# KiCad board SenseBarnacle.kicad_pcb (continued)
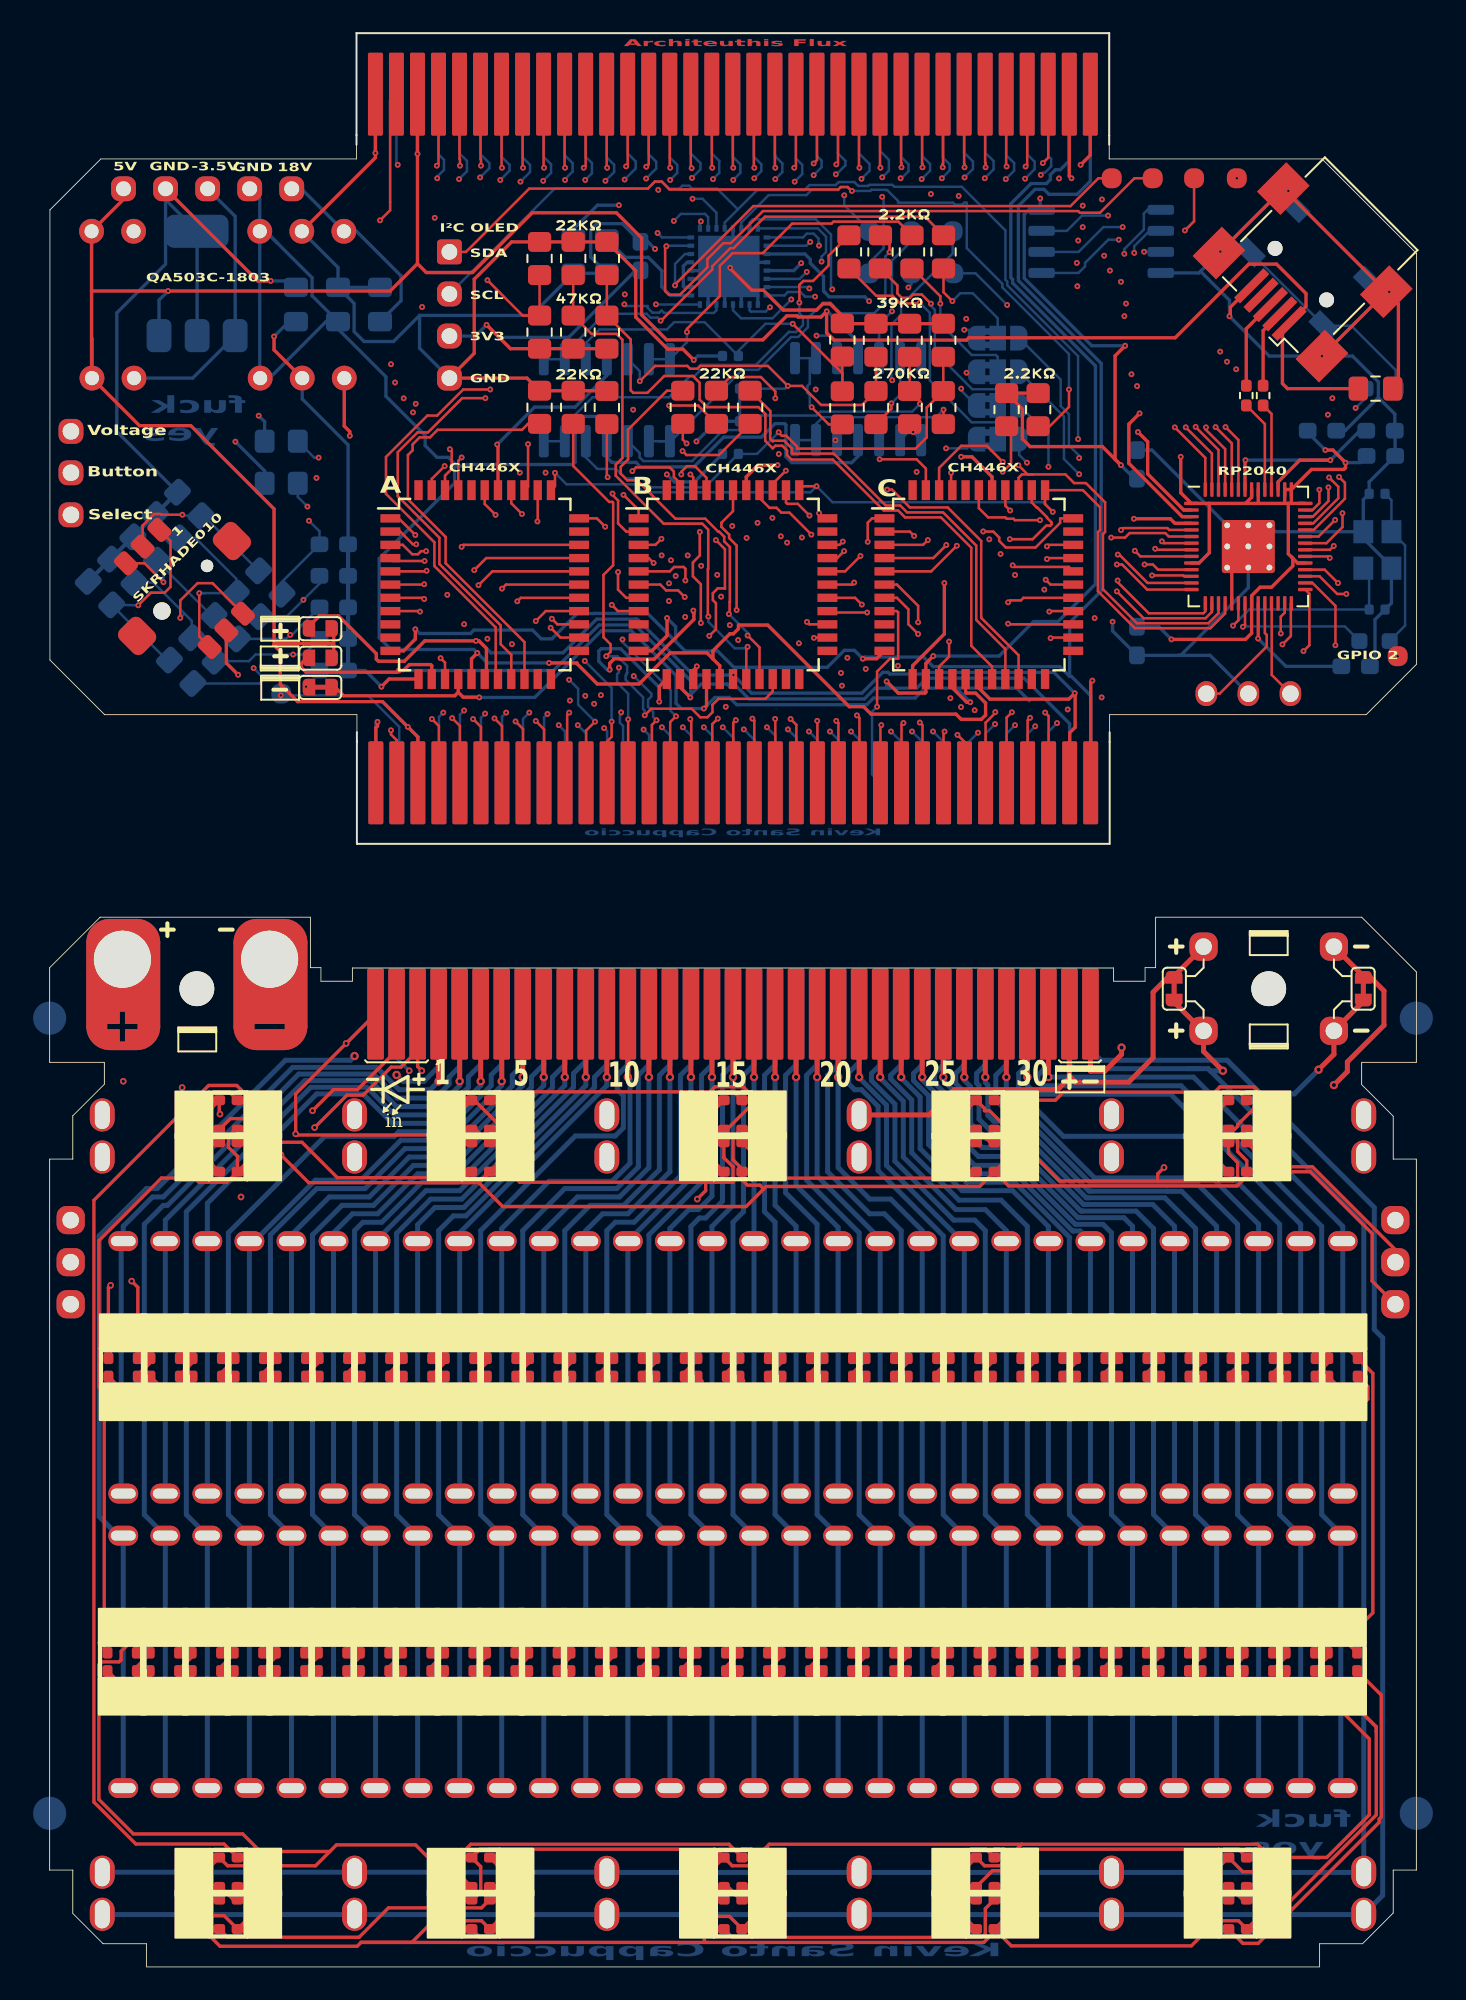
[diagram p0: board, top side]
## Routing (per net, layer and track width the routed paths; a pad name or vN(x,y) marks a point on that pad's centre or on a via; arc(x,y) is an arc through that point) (continued)
RESET: length 65.4
  Top w0.15: U9.36 77.12,85.95 78.09,86.93 v3(78.09,87.76) ; U14.41 39.68,89.9 38.98,90.6 38.49,90.6 38.15,90.26 v3(38.15,90.1) ; U13.41 24.68,90.92 v3(24.88,91.13) ; v3(54.45,90.2) 54.45,89.23 U15.41
  In1.Cu w0.15: v3(38.15,90.1) 38.09,90.1 37.99,90.2 ; 37.99,90.2 36.86,91.33 25.09,91.33 v3(24.88,91.13) ; 37.99,90.2 38.64,89.55 42.44,89.55 42.69,89.3 45.07,89.3 45.63,89.85 52.01,89.85 52.16,89.7 53.95,89.7 v3(54.45,90.2) 55.18,89.47 59.42,89.47 60.02,88.87 64.24,88.87 64.42,88.68 64.72,88.68 64.83,88.58 66.01,88.58 66.12,88.68 77.17,88.68 v3(78.09,87.76)
SDIN1: length 46
  Top w0.15: U9.13 66.32,83.55 64.61,85.26 v3(64.52,85.26)
  In1.Cu w0.15: v3(62.13,104.23) 46.77,104.23 v3(46.47,103.92)
  In2.Cu w0.15: v3(64.52,85.26) 64.02,85.26 63.34,85.94 63.34,86.65 63.41,86.71 63.41,87.48 63.98,88.05 63.98,89.13 64.04,89.19 64.04,90.22 63.83,90.42 63.83,91.11 64.34,91.61 64.34,91.8 64.01,92.13 64.01,101.42 63.24,102.18 63.24,102.32 62.13,103.44 v3(62.13,104.23)
  Bottom w0.15: U6.1 45.5,104.41 45.73,104.64 46.15,104.64 46.44,104.35 46.44,104.1 46.47,104.07 v3(46.47,103.92)
SDIN2: length 48
  Top w0.15: v3(64.46,84.67) 64.78,84.67 66.29,83.15 U9.14
  In1.Cu w0.15: v3(45.94,104.14) 46.99,105.19 62.24,105.19 v3(62.4,105.03)
  In2.Cu w0.15: v3(64.46,84.67) 64.52,84.67 64.94,85.09 64.94,85.71 63.99,85.71 63.64,86.06 63.64,86.52 63.71,86.59 63.71,87.36 64.28,87.93 64.28,89 64.34,89.06 64.34,90.34 64.13,90.55 64.13,90.98 64.64,91.49 64.64,91.93 64.31,92.26 64.31,101.54 63.54,102.31 63.54,102.5 62.63,103.42 62.63,104.8 v3(62.4,105.03)
  Bottom w0.15: U6.2 45.71,103.91 v3(45.94,104.14)
SDOUT1: length 51.7
  Top w0.15: U9.16 70.2,81.81 69.81,81.42 66.08,81.42 v3(64.46,83.04)
  In1.Cu w0.15: v3(47.27,101.28) 47.73,101.73 51.5,101.73 51.66,101.89 52.08,101.89 52.37,101.6 52.37,101.47 v3(62.08,101.47)
  In2.Cu w0.15: v3(64.46,83.04) 62.74,84.76 62.74,87.66 63.24,88.16 63.24,89.24 63.39,89.39 63.39,90.02 63.23,90.17 63.23,91.35 63.44,91.56 63.44,91.86 63.24,92.06 63.24,93.93 63.41,94.1 63.41,100.14 v3(62.08,101.47)
  Bottom w0.15: U6.31 42.27,105.31 42.47,105.51 46.28,105.51 47.19,104.59 47.19,101.36 v3(47.27,101.28)
SDOUT2: length 49.4
  Top w0.15: v3(64.51,83.7) 64.51,83.6 66.39,81.72 69.69,81.72 69.8,81.83 U9.15
  In1.Cu w0.15: v3(62.04,102.88) 51.37,102.88 51.22,102.72 46.86,102.72 v3(46.62,102.96)
  In2.Cu w0.15: v3(64.51,83.7) 63.54,84.67 63.54,85.32 63.04,85.82 63.04,86.77 63.11,86.84 63.11,87.61 63.54,88.04 63.54,89.11 63.74,89.31 63.74,90.09 63.53,90.3 63.53,91.23 64.01,91.71 63.71,92.01 63.71,101.21 v3(62.04,102.88)
  Bottom w0.15: U6.32 46.4,104.96 46.89,104.46 46.89,103.53 46.62,103.26 v3(46.62,102.96)
Select_Probe: length 16.1
  In1.Cu w0.15: v3(15.57,88.16) 2.53,88.16 2.04,87.66 TP6.1
  Bottom w0.15: v3(15.57,88.16) 14.99,88.75 R27.2
SW_A: length 89.4
  Top w0.15: v3(64.71,86.75) 64.82,86.86 67.51,86.86 67.62,86.75 U9.5
  In1.Cu w0.15: v3(21.95,93.85) 21.98,93.88 24.65,93.88 26.94,96.17 42.77,96.17 42.99,95.95 50.41,95.95 51.17,96.71 55.18,96.71 55.23,96.76 55.59,96.76 56.15,96.19 62.07,96.19 62.83,95.44 v3(65.68,95.44)
  In2.Cu w0.15: v3(12.32,78.41) 14.49,78.41 19.71,83.62 19.71,91.12 21.95,93.37 v3(21.95,93.85) ; v3(64.71,86.75) 64.88,86.92 64.88,88.75 65.6,89.48 65.64,89.48 65.95,89.78 65.95,90.22 65.69,90.48 65.69,91.16 65.24,91.6 65.24,95 v3(65.68,95.44)
  Bottom w0.15: R6.1 12.67,77.48 13.15,77.96 ; C18.1 15.99,77.96 13.15,77.96 ; 13.15,77.96 12.77,77.96 v3(12.32,78.41)
SW_B: length 85.9
  Top w0.15: U9.6 67.6,86.35 67.39,86.56 65.23,86.56 64.96,86.29 v3(64.12,86.29)
  In1.Cu w0.15: v3(22.11,94.37) 24.54,94.37 26.64,96.47 42.89,96.47 42.97,96.4 43.51,96.4 43.66,96.25 50.29,96.25 51.04,97.01 55.06,97.01 55.11,97.06 55.72,97.06 56.28,96.49 65,96.49 v3(65.34,96.15)
  In2.Cu w0.15: v3(64.12,86.29) 64.12,87.35 64.58,87.8 64.58,88.88 65.34,89.64 65.34,90.94 64.94,91.34 64.94,95.75 v3(65.34,96.15) ; v3(22.11,94.37) 21.76,94.37 21.45,94.06 21.45,93.29 16.97,88.81 16.97,81.5 v3(14.71,79.23)
  Bottom w0.15: R34.1 12.03,78.83 12.43,79.23 15.36,79.23 C23.1
SW_C: length 92
  Top w0.15: U9.34 77.23,85.15 v3(77.32,85.06)
  In1.Cu w0.15: v3(71.11,96.91) 70.93,97.09 56.59,97.09 56.03,97.66 54.86,97.66 54.81,97.61 53.53,97.61 53.38,97.76 50.59,97.76 49.83,97 46,97 45.85,96.85 43.91,96.85 43.76,97 43.22,97 42.86,97.35 39.73,97.35 39.32,97.76 35.49,97.76 34.8,97.07 22.28,97.07 v3(20.86,95.65)
  In2.Cu w0.15: v3(20.86,95.65) 19.41,94.2 19.41,92.1 16.37,89.06 16.37,86.47 14.53,84.63 v3(14.53,80.42) ; v3(77.32,85.06) 75.89,86.49 75.89,89.51 76.09,89.71 76.09,91.33 71.11,96.3 v3(71.11,96.91)
  Bottom w0.15: R32.1 14.28,80.18 v3(14.53,80.42) 14.64,80.42 C20.1
SW_D: length 87.4
  Top w0.15: U9.35 77.33,85.55 v3(77.56,85.79)
  In1.Cu w0.15: v3(71.67,96.45) 65.75,96.45 65.41,96.79 56.41,96.79 55.85,97.36 54.98,97.36 54.93,97.31 50.92,97.31 50.16,96.55 43.78,96.55 43.64,96.7 43.09,96.7 42.99,96.8 39.86,96.8 39.2,97.46 35.61,97.46 34.92,96.77 26.52,96.77 24.45,94.71 22.48,94.71 22.32,94.87 21.55,94.87 v3(21.38,94.7)
  In2.Cu w0.15: v3(21.38,94.7) 19.71,93.03 19.71,91.98 16.67,88.94 16.67,83.88 v3(15.33,82.54) ; v3(77.56,85.79) 76.19,87.15 76.19,89.39 76.49,89.68 76.49,91.64 v3(71.67,96.45)
  Bottom w0.15: R38.1 14.32,81.52 16.3,83.51 C25.1
SW_PUSH: length 94.5
  Top w0.15: v3(77.66,79.79) 77.66,82.17 76.28,83.55 U9.30
  In1.Cu w0.15: v3(20.62,96.76) 21.24,97.38 34.69,97.38 35.36,98.06 42.58,98.06 43.34,97.3 43.88,97.3 44.03,97.15 45.73,97.15 45.88,97.3 49.71,97.3 50.47,98.06 53.7,98.06 53.81,97.96 55.9,97.96 55.95,98.01 56.01,98.01 56.25,98.25 56.25,98.3 69.92,98.3 v3(70.7,97.52)
  In2.Cu w0.15: v3(70.7,97.52) 70.61,97.43 70.61,96.38 75.59,91.4 75.59,81.86 v3(77.66,79.79) ; v3(15.66,87.31) 16.07,87.72 16.07,89.19 19.11,92.23 19.11,95.25 v3(20.62,96.76)
  Bottom w0.15: v3(15.66,87.31) 16.3,86.67 C19.1 14.04,83.62 R30.1
TOP_RAIL_NEG: length 105.6
  Top w0.2: J7.64 62.88,77.56 v3(62.98,77.66) ; U15.15 54.52,77.22 55.39,76.35 v3(55.61,76.35) ; v3(25.95,76.64) 25.94,76.65 24.98,76.65 24.68,76.95 ; 24.68,76.95 24.47,76.74 17.76,76.74 17.24,77.26 ; 24.68,76.95 U13.15 ; v3(62.27,108.8) 62.86,109.38 J6.64 ; U14.15 39.68,76.13 v3(39.51,75.97)
  In1.Cu w0.2: v3(62.98,77.66) 56.92,77.66 v3(55.61,76.35)
  In2.Cu w0.2: v3(62.98,77.66) 61.81,78.83 61.81,89.74 61.66,89.9 61.66,90.33 61.81,90.49 61.81,90.72 61.66,90.88 61.66,91.17 60.95,91.88 60.95,105.55 61.51,106.11 61.51,106.82 62.27,107.58 v3(62.27,108.8)
  Bottom w0.2: v3(55.61,76.35) 54.76,77.2 54.45,77.2 ; 54.45,77.2 52.87,77.2 52.28,76.61 49.76,76.61 49.35,76.2 41.49,76.2 41.05,76.64 40.19,76.64 v3(39.51,75.97) 38.15,75.97 37.84,76.29 37.84,77.96 35.13,80.67 33.33,80.67 29.3,76.64 v3(25.95,76.64) ; 54.45,77.2 58.41,77.2 59.17,76.44
TOP_RAIL_POS: length 105
  Top w0.2: J7.63 61.61,74.51 61.94,74.84 61.94,76.87 v3(61.92,76.9) 61.56,76.54 56.79,76.54 56.12,77.2 U15.17 ; J6.63 61.59,108.12 v3(61.72,107.98) ; JP1.1 16.3,81.57 17.45,81.57 19.73,79.28 19.73,78.95 19.86,78.83 21.43,78.83 22.66,80.06 v3(25.75,80.06) 25.93,80.06 26.38,79.6 26.38,77.86 U13.17
  In2.Cu w0.2: v3(61.72,107.98) 60.98,107.24 60.98,107.24 60.98,106.29 60.75,106.06 60.75,105.84 60.6,105.69 60.6,91.72 61.31,91.01 61.31,90.73 61.44,90.61 61.31,90.48 61.31,89.75 61.46,89.6 61.46,77.35 v3(61.92,76.9)
  Bottom w0.2: v3(61.92,76.9) 60.66,78.15 52.84,78.15 52.74,78.05 50.74,78.05 50.64,78.16 50.32,78.16 49.06,76.9 42.39,76.9 v3(41.3,77.99) 38.87,77.99 35.51,81.35 35.43,81.35 35.42,81.37 33.04,81.37 31,79.33 26.65,79.33 25.93,80.06 v3(25.75,80.06)
Voltage_Probe: length 48.5
  In1.Cu w0.2: TP13.1 2.37,91.62 16.48,91.62 18,93.15 18.53,93.15 19.29,92.38 23.02,92.38 23.37,92.74 37.95,92.74 38.38,93.17 44.19,93.17 45.2,92.17 v3(47.46,92.17)
  Bottom w0.2: v3(47.46,92.17) 47.46,92.16 47.59,92.03
Y0_A: length 52.1
  Top w0.15: U13.43 23.08,89.83 v3(23.86,90.61)
  In1.Cu w0.15: v3(46.32,98.49) 46.15,98.49 45.86,98.19 45.85,98.19 45.46,97.8 44.3,97.8 43.87,98.23 43.34,98.23 41.71,99.86 22.85,99.86 v3(22.49,100.21)
  In2.Cu w0.15: v3(47.99,106.96) 47.74,106.7 47.74,102.16 47.36,101.78 47.2,101.78 47.07,101.78 46.77,101.48 46.77,101.07 46.91,100.94 46.91,100.72 47.46,100.17 47.46,99.63 v3(46.32,98.49) ; v3(22.49,100.21) 22.49,96.05 22.77,95.77 22.77,95.35 23.72,94.4 23.72,90.75 v3(23.86,90.61)
  Bottom w0.15: v3(46.32,98.49) 47.17,98.49 47.56,98.1 U1.3 ; v3(47.99,106.96) 47.99,106.36 49.55,104.81
Y0_B: length 42.1
  Top w0.15: v3(35.19,90.31) 35.42,90.53 37.45,90.53 37.7,90.28 37.7,89.95 38.08,89.58 U14.43
  In1.Cu w0.15: v3(34.74,100.97) 41.7,100.97 43.83,98.84 44.11,98.84 44.55,98.4 45.21,98.4 45.68,98.87 45.68,98.88 45.75,98.95 45.75,99.08 45.88,99.21 46.66,99.21 46.91,98.96 49.88,98.96 v3(50.88,99.95)
  In2.Cu w0.15: v3(34.74,100.97) 34.62,100.97 34.03,100.38 34.03,91.47 v3(35.19,90.31)
  Bottom w0.15: U1.5 50.1,99.17 v3(50.88,99.95) 50.88,103.02 52.05,104.19 TP11.1
Y0_C: length 21.1
  Top w0.15: v3(50.13,91.02) 52.37,91.02 52.92,90.46 U15.43
  In2.Cu w0.15: v3(50.89,95.79) 50.13,95.03 v3(50.13,91.02)
  Bottom w0.15: U1.10 50.13,92.14 v3(50.13,91.02) ; v3(50.89,95.79) 50.84,95.84 50.84,99.16 51.43,99.74 51.43,100.32 54.55,103.44 TP12.1
Y3_A: length 50.3
  Top w0.15: U13.42 23.88,90.03 24.28,90.44 24.28,91.51 v3(24.17,91.63)
  In1.Cu w0.15: v3(23.26,105.6) 32.96,105.6 34.15,106.78 38.16,106.78 38.55,107.17 47.07,107.17 47.71,106.53 49.95,106.53 v3(50.29,106.87)
  In2.Cu w0.15: v3(24.17,91.63) 24.17,94.37 23.07,95.47 23.07,105.41 v3(23.26,105.6)
  Bottom w0.15: TP5.1 49.51,102.89 50.37,103.76 50.37,106.78 v3(50.29,106.87)
Y3_B: length 27.6
  Top w0.15: v3(38.7,90.1) 38.88,89.93 U14.42
  In1.Cu w0.15: v3(52.37,90.26) 45.61,90.26 45.11,89.76 43.4,89.76 43.06,90.1 v3(38.7,90.1)
  In2.Cu w0.15: v3(52.37,90.26) 52.66,90.55 52.66,92.43 52.65,92.44 52.66,92.45 52.66,92.87 52.38,93.14 52.38,93.79 52.06,94.12 52.06,101.21 v3(51.87,101.39)
  Bottom w0.15: TP14.1 52.05,101.57 v3(51.87,101.39)
Y3_C: length 19.8
  Top w0.15: v3(57.57,90.87) 56.6,91.83 55.06,91.83 53.72,90.5 U15.42
  In2.Cu w0.15: v3(57.57,90.87) 57.68,90.98 57.68,100.18 v3(57.83,100.33)
  Bottom w0.15: v3(57.83,100.33) 55.92,102.25 TP15#2.1
Net-(C7-Pad1): length 9.8
  Bottom w0.15: R7.2 81.87,80.98 81.87,85.82 Y1.3 81.05,88.55 C7.1
Net-(JP2-C): length 16.2
  Top w0.15: R42.1 49.93,100.89 50.91,100.89 51.37,100.43 52.52,100.43 v3(52.56,100.47)
  Bottom w0.15: JP2#2.2 57.26,93.14 57.15,93.25 55.69,93.25 53.16,95.78 53.16,99.86 v3(52.56,100.47)
Net-(JP3-C): length 13
  Top w0.15: v3(53.23,100.42) 52.68,100.97 52.15,100.97 51.95,100.77 51.47,100.77 51.2,101.03 51.2,101.52 R41.1
  Bottom w0.15: v3(53.23,100.42) 53.23,100.28 53.47,100.04 53.47,97.51 55.73,95.25 57.18,95.25 57.26,95.17 JP3.2
Net-(JP4-C): length 9.3
  Top w0.15: v3(53.8,100.42) 53.8,100.86 52.12,102.54 R40.1
  Bottom w0.15: JP4.2 57.26,97.2 57.15,97.32 55.69,97.32 53.8,99.21 v3(53.8,100.42)
Net-(JP5-C): length 7
  Top w0.15: R39.1 53.99,101.1 v3(54.53,100.57)
  Bottom w0.15: JP5.2 57.26,99.53 55.75,101.05 55.01,101.05 v3(54.53,100.57)
Net-(U1A--): length 6.7
  Top w0.15: R10.1 47.06,93.13 v3(46.03,94.16)
  Bottom w0.15: v3(46.03,94.16) 45.91,94.27 45.91,94.88 45.77,95.03 45.77,95.44 45.91,95.59 45.91,97.12 ; U1.2 45.91,97.12 ; 45.91,97.12 U1.1
Net-(U1B--): length 5.9
  Top w0.15: R12.1 50.84,94.07 v3(50.84,94.39)
  Bottom w0.15: U1.7 U1.6 51.37,94.92 v3(50.84,94.39)
Net-(U1C--): length 2.2
  Top w0.15: v3(52.16,92.66) 51.94,92.88 R14.1
  Bottom w0.15: U1.8 52.16,92.66 v3(52.16,92.66) 51.86,92.66 U1.9
Net-(U1D--): length 11.2
  Top w0.15: v3(53.99,94.01) 53.99,93.16 R16.1
  Bottom w0.15: v3(53.99,94.01) 53.54,93.56 46.7,93.56 46.29,93.15 U1.13 U1.14
Net-(U2A-+): length 23.2
  Top w0.15: R11.1 R10.2 47.88,96.2 v3(44.88,99.2)
  Bottom w0.15: v3(44.88,99.2) 43.24,99.2 41.6,97.56 C14.1 39.56,99.3 37.72,99.3 37.28,98.86 33.21,98.86 32.39,98.03 U2.3
Net-(U2A--): length 28.8
  Top w0.15: R39.2 52.87,105.66 43.21,105.66 41.31,103.76 41.12,103.76 40.03,102.67 40.03,102.49 36.93,99.39 v3(36.9,99.39)
  Bottom w0.15: v3(36.9,99.39) 36.72,99.57 36.29,99.57 36.05,99.81 33.53,99.81 31.11,97.39 U2.2 U2.1
Net-(U2B-+): length 21.8
  Top w0.15: v3(35.64,95.73) 36.57,96.66 38.52,96.66 38.69,96.49 39.12,96.49 39.29,96.66 43.38,96.66 v3(44.59,95.45) 45.44,95.45 46.59,94.3 49.07,94.3 R12.2 R13.1
  Bottom w0.15: C15.1 44.42,95.28 v3(44.59,95.45) ; U2.5 35.64,96.34 v3(35.64,95.73)
Net-(U2B--): length 21.2
  Top w0.15: v3(38.49,98.7) 38.49,98.89 40.48,100.88 40.48,102.7 41.24,103.46 43.07,103.46 44.85,105.25 47.23,105.25 47.34,105.36 51.26,105.36 R40.2
  Bottom w0.15: v3(38.49,98.7) 38.49,98.09 U2.7 U2.6
Net-(U2C-+): length 22.8
  Top w0.15: v3(52.57,94.37) 52.57,94.52 R14.2 R15.1
  Bottom w0.15: v3(52.57,94.37) 52.09,93.89 46.55,93.89 46.32,93.66 42.98,93.66 C16.1 42.1,92.78 40.68,92.78 38.81,90.91 35.86,90.91 35.63,91.14 35.63,91.4 U2.10
Net-(U2C--): length 23.6
  Top w0.15: v3(50.73,103.52) 50.73,103.99 R41.2
  Bottom w0.15: 36.82,92.11 37.52,92.11 41.83,96.42 42.81,96.42 44.79,98.4 45.21,98.4 45.8,98.99 45.8,99.54 46.73,100.48 47.15,100.48 47.79,99.84 49.81,99.84 50.48,100.51 50.48,103.27 v3(50.73,103.52) ; 36.82,92.11 U2.8 ; 36.82,92.11 U2.9
Net-(U2D-+): length 29.8
  Top w0.15: R17.1 R16.2 52.97,94.14 52.97,92.34 52.3,91.66 45.14,91.66 45.14,91.79 44.5,92.44 44.22,92.44 44.03,92.63 v3(44.03,92.65)
  Bottom w0.15: v3(44.03,92.65) 42.73,91.34 C17.1 39.58,89.33 36.34,89.33 35.81,89.86 34.78,89.86 34.2,90.44 33.08,90.44 32.39,91.13 U2.12
Net-(U2D--): length 26.4
  Top w0.15: R42.2 47.05,103.31 47.05,102.72 46.11,101.79 45.52,101.79 45.28,101.55 v3(45.28,100.48)
  Bottom w0.15: U2.14 U2.13 31.11,93.08 32.79,94.76 37.4,94.76 38.67,96.03 38.94,96.03 39.23,96.32 39.23,96.59 39.35,96.72 42.66,96.72 44.66,98.72 44.67,98.7 45.09,98.7 45.5,99.11 45.5,99.62 45.28,99.84 v3(45.28,100.48)
Net-(U4-A): length 12.6
  Top w0.15: v3(5.35,82.2) 6.11,82.97 6.95,82.97 7.3,83.32 7.3,86.08 U4.1
  Bottom w0.15: R6.2 7.08,78.9 R5.1 3.73,82.23 v3(5.35,82.2)
Net-(U4-B): length 11.9
  Top w0.15: U4.4 9.84,83.54 8.93,83.54 7.89,82.5 v3(7.89,81.44)
  Bottom w0.15: 8.15,81.7 8.58,81.26 R34.2 ; 8.15,81.7 v3(7.89,81.44) ; 8.15,81.7 6.26,83.58 R33.1
Net-(U4-C): length 9.1
  Top w0.15: U4.3 5.73,84.74 v3(6.87,83.6)
  Bottom w0.15: v3(6.87,83.6) 6.87,84.49 R31.1 9.77,81.59 R32.2
Net-(U4-Center): length 10
  Top w0.15: U4.2 5.62,87.02 6.31,87.71 6.69,87.71 6.73,87.67 v3(8.02,87.67)
  Bottom w0.15: v3(8.02,87.67) 8.07,87.62 R29.1 9.29,87.62 R30.2
Net-(U4-D): length 11.5
  Top w0.15: v3(9.04,82.94) 9.04,80.31 U4.6
  Bottom w0.15: R37.1 8.8,86.27 11.27,83.8 R38.2 9.04,82.94 v3(9.04,82.94) 9.38,82.94
Net-(U6-AVDD): length 2.2
  Bottom w0.2: U6.18 38.33,101.41 38.27,101.46 38.27,102.68 38.5,102.91 U6.21
Net-(U6-AVDRV): length 20
  In1.Cu w0.2: v3(34.38,106.36) 35.3,105.44 36.92,105.44 39.71,102.66 40.1,102.66 40.17,102.73 40.17,103.01 40.67,103.51 41.38,103.51 41.88,103.01 41.88,102.6 45.13,102.6 v3(45.39,102.86)
  Bottom w0.2: v3(34.38,106.36) 33.09,106.36 31.64,104.91 C21.2 ; U6.5 44.95,102.41 v3(45.39,102.86)
Net-(U6-VCOM): length 7.1
  Bottom w0.2: U6.17 37.49,100.91 36.97,101.43 36.97,102.4 36.16,103.21 34.77,103.21 C22.2
Net-(U9-GPIO0): length 65.8
  Top w0.2: U9.2 68.5,87.95 66.32,90.13 66.32,92.08 v3(65.73,92.66)
  In1.Cu w0.2: v3(11.22,92.08) 16.45,92.08 17.86,93.5 18.67,93.5 19.43,92.73 22.31,92.73 22.72,93.14 37.85,93.14 38.24,93.52 44.39,93.52 44.86,93.06 51.82,93.06 51.94,93.19 52.38,93.19 52.5,93.06 65.34,93.06 v3(65.73,92.66)
  Bottom w0.2: R27.1 12.99,90.32 v3(11.22,92.08)
Net-(U9-GPIO1): length 64.4
  Top w0.2: v3(65.83,93.79) 65.18,93.14 65.18,90.78 68.41,87.55 U9.3
  In1.Cu w0.2: v3(12.62,93.65) 12.82,93.85 18.82,93.85 19.58,93.08 22.17,93.08 22.57,93.49 37.71,93.49 38.09,93.87 44.54,93.87 45,93.41 51.67,93.41 51.8,93.54 65.58,93.54 v3(65.83,93.79)
  Bottom w0.2: R28.1 12.99,93.29 v3(12.62,93.65)
Net-(U9-USB_DM): length 5.3
  Top w0.15: R2.2 73.8,93.76 U9.46
Net-(U9-USB_DP): length 5.5
  Top w0.15: R1.2 73.4,93.15 U9.47
Net-(U13-Y1): length 37.6
  Top w0.15: U13.18 26.94,77.89 26.94,80.87 23.24,84.57 23.24,86.01 20.32,88.93 20.32,91.16 22.81,93.66 23.41,93.66 24.98,95.23 v3(26.61,95.23) ; R21.1 R20.2 28.57,99.7 v3(26.44,101.83)
  In2.Cu w0.15: v3(26.61,95.23) 26.91,95.54 26.91,101.36 v3(26.44,101.83)
Net-(U13-Y2): length 45.6
  Top w0.15: R22.1 41.1,95.98 42.96,95.98 43.83,95.11 v3(43.83,94.7) ; U13.19 27.88,79.21 27.24,79.85 27.24,80.99 23.54,84.69 23.54,86.28 21.03,88.8 21.03,91.45 22.22,92.64 22.85,92.64 24.92,94.71 v3(26.32,94.71)
  In1.Cu w0.15: v3(43.83,94.7) 43.55,94.98 38.46,94.98 38.26,94.78 26.38,94.78 v3(26.32,94.71)
Net-(U13-Y4): length 25.4
  Top w0.15: U13.20 28.68,79.98 23.92,84.74 23.92,86.33 21.64,88.61 21.64,91.28 21.92,91.56 21.92,91.92 22.35,92.34 22.97,92.34 23.43,92.8 28.53,92.8 28.89,93.16 R25.1
Net-(U14-Y1): length 32
  Top w0.15: R9.1 R8.2 32.73,98.59 34.24,98.59 34.59,98.24 34.59,91.09 34.19,90.69 34.19,90.03 37.09,87.13 39.42,87.13 39.78,86.77 39.78,84.41 39.76,84.39 39.76,81.55 v3(39.79,81.52) ; v3(42.15,79.7) 42.08,79.62 U14.18
  Bottom w0.15: v3(42.15,79.7) 42.06,79.61 41.38,79.61 39.79,81.2 v3(39.79,81.52)
Net-(U14-Y2): length 24.5
  Top w0.15: v3(41.03,81.68) 41.07,81.72 41.07,82.41 41.09,82.42 41.09,85.72 40.74,86.06 40.74,86.35 40.45,86.64 40.39,86.64 39.6,87.43 37.8,87.43 35.48,89.75 34.89,89.75 34.49,90.15 34.49,90.56 34.94,91.01 34.94,92.81 37.29,95.16 R23.1 ; U14.19 42.88,79.66 v3(42.16,80.38)
  Bottom w0.15: v3(42.16,80.38) 42.17,80.4 42.17,80.53 v3(41.03,81.68)
Net-(U14-Y4): length 30.4
  Top w0.15: v3(35.94,75.56) 36.34,75.96 38.78,75.96 39.3,75.44 39.73,75.44 40.04,75.75 40.04,76.19 40.03,76.19 40.4,76.56 43.23,76.56 43.68,77 U14.20 ; v3(33.62,79.13) 33.88,79.39 33.88,79.85 33.45,80.28 33.45,84.04 34.03,84.62 34.03,88.4 33.99,88.45 33.79,88.45 31.62,90.61 R3.1
  Bottom w0.15: v3(33.62,79.13) 34.29,79.13 34.88,78.54 34.88,78.13 34.86,78.11 34.86,78.03 34.79,77.96 34.79,77.71 35.84,76.65 35.84,75.94 35.94,75.85 v3(35.94,75.56)
Net-(U15-Y1): length 43.2
  Top w0.15: U15.18 56.92,78.5 55.67,79.76 55.67,85.68 53.84,87.51 51.67,87.51 51.25,87.93 50.37,87.93 47.3,91 44.81,91 44.54,91.27 44.54,91.54 44.25,91.84 43.83,91.84 43.67,91.68 43.22,92.13 43.22,92.69 43.23,92.7 43.23,93.75 42.81,94.17 39.72,94.17 39.26,94.62 39.26,95.64 38.85,96.05 37.12,96.05 36.11,95.03 35.25,95.03 35.09,95.18 35.09,98.26 R18.2 R19.1
Net-(U15-Y2): length 27.5
  Top w0.15: R24.1 43.53,93.93 43.53,92.58 43.52,92.57 43.52,92.26 43.67,92.1 43.71,92.14 44.37,92.14 44.84,91.67 44.84,91.39 44.87,91.36 47.37,91.36 50.5,88.23 51.37,88.23 51.79,87.81 53.96,87.81 55.97,85.81 55.97,81.32 57.72,79.56 U15.19
Net-(U15-Y4): length 46.8
  Top w0.15: U15.20 58.52,79.19 56.27,81.44 56.27,86.08 54.24,88.11 51.95,88.11 50.88,89.19 v3(50.59,89.19) ; v3(33.7,89.94) 33.66,89.99 R26.1
  In1.Cu w0.15: v3(33.7,89.94) 34.65,89.94 34.78,89.81 35.35,89.81 35.47,89.93 36.84,89.93 37.53,89.23 41.82,89.23 42.16,88.88 50.59,88.88 ; 50.59,88.88 v3(50.59,89.19) ; 50.59,88.88 59.58,88.88 60.04,88.43

## Copper pours and planes (outline as drawn; the poured copper is in the pictures)
LED_GND on In1.Cu, In2.Cu: 22.48,66.67 -4.19,67.06 -4.57,-5.21 88.14,-5.21 89.28,68.2 22.1,66.55

## Text on the board
Bottom: Kevin Santo Cappuccio | fuck / yes
B.Silkscreen: - | + | LED Data | 0Ω | 2.2KΩ | 5V | GND | -3.5V | 18V | AK4619 | Select | Button | Voltage | 1 | 0 | 2 | 3 | AK4619 ADC | RP2040 ADC | BOOT | A | B | C | Y0 | Y3 | out | 31 | 35 | 40 | 45 | 50 | 55 | 60 | Barnacle Board | Sense Barnacle | Data IN | WS2812C | Data OUT | Stay The Hell Out Of My Circuit | Jumperlux
Top: Architeuthis Flux
F.Silkscreen: - | + | 5V | QA503C-1803 | GND | -3.5V | 18V | I²C OLED | CH446X | SDA | SCL | 3V3 | 22KΩ | 47KΩ | 270KΩ | 39KΩ | 2.2KΩ | RP2040 | GPIO 2 | SKRHADE010 | 1 | Voltage | Button | Select | A | B | C | in | 5 | 10 | 15 | 20 | 25 | 30
